# Altium PCB Neon-Demon-Earing-revC.PcbDoc
Units mm, origin at the board's own origin, x right, y up, seen from the top; angles counter-clockwise.
Board outline 8.86 x 10.51 mm, 2 copper layers (Top Layer, Bottom Layer); 11 components, 9 nets, 39 pads, 5 vias.
Unrouted connection lines stored in the file: 1.
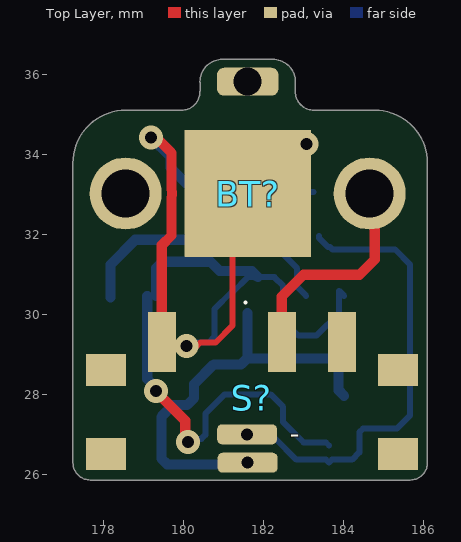
[diagram p0: Top Layer view]
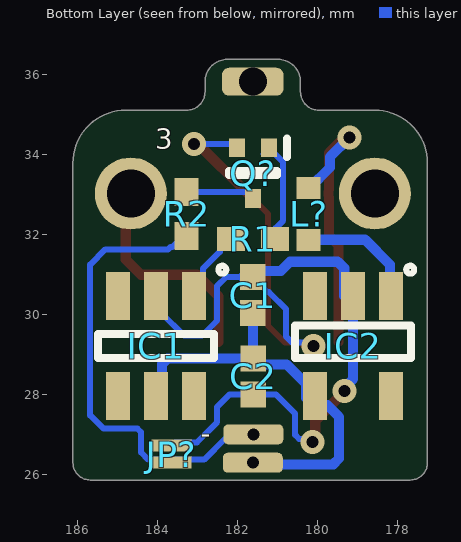
[diagram p1: Bottom Layer view, seen from below]
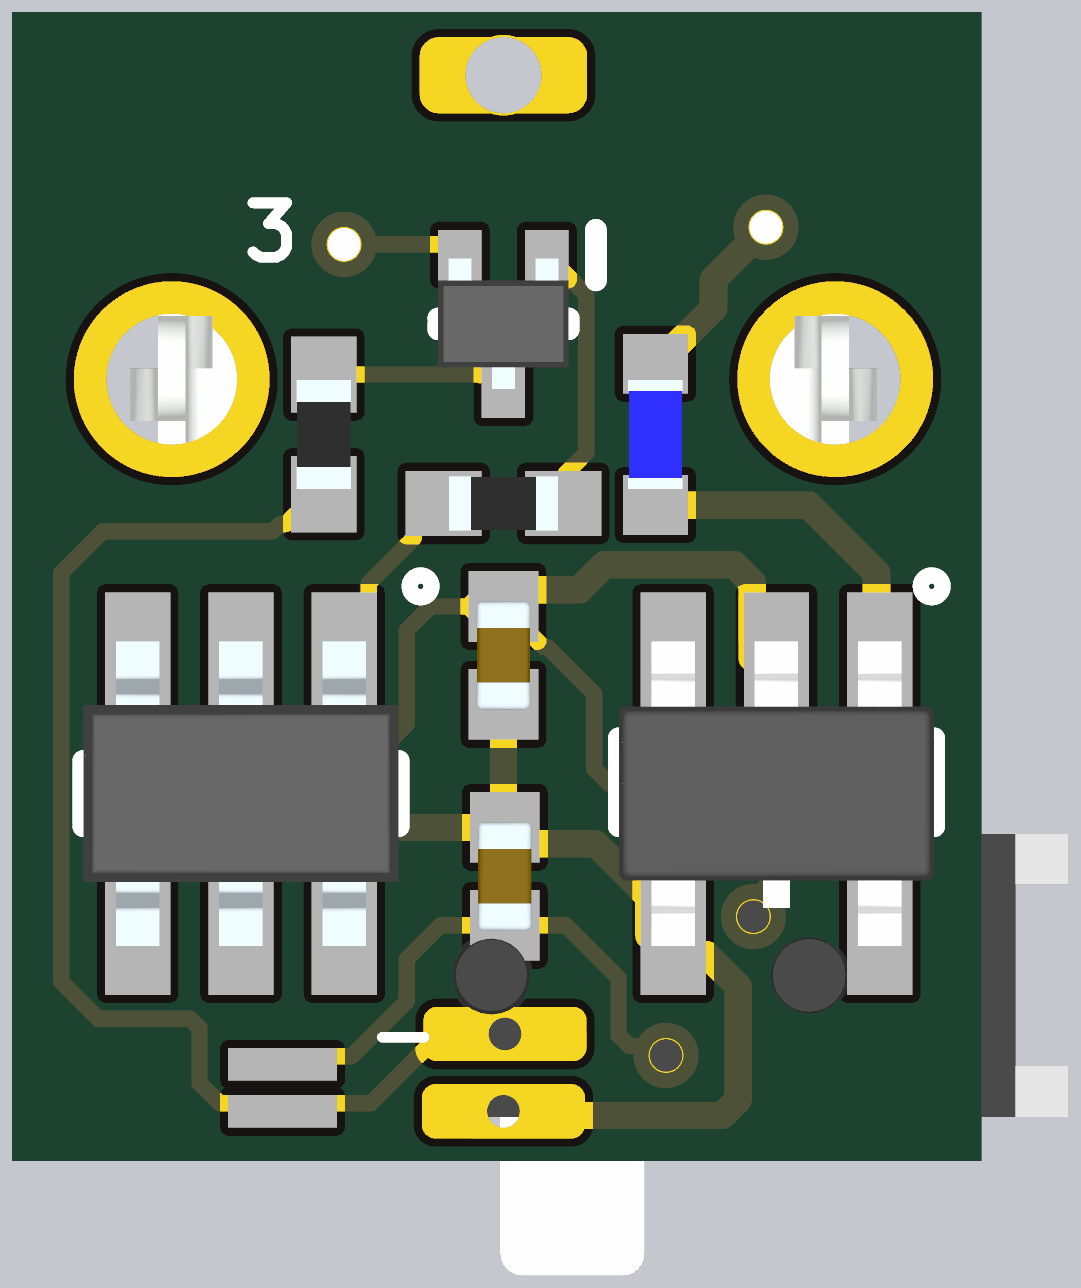
[diagram p2: 3D render of the assembled board from below, using the file's embedded part models]

## Layer stack, top to bottom
Top Solder: solder mask 0.0102, Solder Resist, Dk 3.5
Top Layer: signal copper 0.0356
Dielectric 1: dielectric 0.32, FR-4, Dk 4.8
Bottom Layer: signal copper 0.0356
Bottom Solder: solder mask 0.0102, Solder Resist, Dk 3.5

## Board outline
177.242,26.289 ccw(c177.673,26.289) 177.673,25.858 185.674,25.858 ccw(c185.674,26.289) 186.105,26.289 186.105,33.782 ccw(c184.785,33.782) 184.785,35.102 183.261,35.102 cw(c183.261,35.56) 182.803,35.56 182.803,35.814 ccw(c182.245,35.814) 182.245,36.372 180.975,36.372 ccw(c180.975,35.814) 180.417,35.814 ccw(c180.467,35.814) 180.418,35.801 180.418,35.573 ccw(c180.467,35.56) 180.417,35.56 cw(c179.959,35.56) 179.959,35.102 178.562,35.102 ccw(c178.562,33.782) 177.242,33.782

## Design rules (kind name [scope] priority, off if disabled: settings)
BoardOutlineClearance [All] p1: gap=0.2 ignorepadtopadclearanceinfootprint=FALSE
Clearance [All] p1: gap=0.127 ignorepadtopadclearanceinfootprint=FALSE except(0.25: Arc-Hole Track-Hole SMDPad-Hole THPad-Hole Via-Hole Fill-Hole Poly-Hole Region-Hole Text-Hole)
ComponentClearance [All] p1: gap=0.127 collisioncheckmode=3 verticalgap=0.127 showdistances=TRUE
DiffPairsRouting [All] p1: maxlimit=0.254 minlimit=0.127 mostfreqgap=0.127 toplayer_minwidth=0.127 toplayer_maxwidth=25.4 toplayer_prefwidth=0.127 bottomlayer_minwidth=0.127 bottomlayer_maxwidth=25.4 bottomlayer_prefwidth=0.127 maxuncoupledlength=12.7
Height [All] p1: minheight=0 maxheight=1816.048 prefheight=12.7
HoleSize [All] p1: absolutevalues=TRUE maxlimit=6.3 minlimit=0.3 maxpercent=80.000 minpercent=20.000
HoleToHoleClearance [All] p1: gap=0.25 allowstackedmicrovias=FALSE
MinimumAnnularRing [All] p1: minimumring=0.076
MinimumSolderMaskSliver [All] p1: minsoldermaskwidth=0
PlaneClearance [All] p1: clearance=0.127
PlaneConnect PlaneConnectPowerPads [InPadClass('PowerPads')] p1: planeconnectstyle=Direct reliefexpansion=0.508 reliefentries=4 reliefconductorwidth=0.254 reliefairgap=0.254
PlaneConnect [All] p2: pad.planeconnectstyle=Relief pad.reliefexpansion=0.3 pad.reliefentries=4 pad.reliefconductorwidth=0.127 pad.reliefairgap=0.127 via.planeconnectstyle=Direct via.reliefexpansion=0.3 via.reliefentries=4 via.reliefconductorwidth=0.127 via.reliefairgap=0.127
PolygonConnect PolygonConnectPowerPads [All vs (InPadClass('PowerPads'))] p1: connectstyle=Direct reliefconductorwidth=0.254 reliefentries=4 polygonreliefangle="90 Angle" airgapwidth=0.254
PolygonConnect [All] p2: thpad.connectstyle=Relief thpad.reliefconductorwidth=0.127 thpad.reliefentries=4 thpad.polygonreliefangle="90 Angle" thpad.airgapwidth=0.127 smdpad.connectstyle=Relief smdpad.reliefconductorwidth=0.127 smdpad.reliefentries=4 smdpad.polygonreliefangle="90 Angle" smdpad.airgapwidth=0.127 via.connectstyle=Direct via.reliefconductorwidth=0.127 via.reliefentries=4 via.polygonreliefangle="90 Angle" via.airgapwidth=0.127
RoutingVias [All] p1: holewidth=0.3 width=0.6 viastyle="Through Hole" minholewidth=0.3 minwidth=0.6 maxholewidth=0.6 maxwidth=6.6
SilkToSilkClearance [All] p1: silktosilkclearance=0
SilkToSolderMaskClearance [IsPad] p1: minsilkscreentomaskgap=0.127 clearancetoexposedcopper=TRUE
SolderMaskExpansion [All] p1: expansion=0.075 istentingtop=FALSE
Width [All] p1: maxlimit=25.4 minlimit=0.127 preferedwidth=0.127 minimp=50.000000 maximp=50.000000 favimp=50.000000
20 further rules are at their usual default settings.

## Classes and differential pairs
component class Neon-Demon-Earing-revC: C1 C2 IC1 IC2 L? Q? R1 R2 S?

## Components (designator, comment, footprint, x,y, rotation, side; value= is the part's Value field where it differs from the comment)
BT? "2987" BAT_2987 181.61,33.02 r0 top
C1 "04023A0R8CAT2A" CAPC1005X56N 181.61,30.48 r90 bottom
C2 "0402YC104MAT2A" CAPC1005X56N 181.597,28.449 r90 bottom
IC1 "ATTINY10-TS8R" SOT95P280X145-6N 184.023,29.21 r270 bottom
IC2 "TPS613221ADBVR" SOT95P280X145-5N 179.1,29.21 r270 bottom
JP? "Normally open jumper    This jumper has two pads in close proximity to each other. Apply solder to close the connection.   Round pads are easier to solder for beginners, but are a lot larger.   SparkFun Product that uses the round pads:  SparkFun EL Sequencer" SMT-JUMPER_2_NO_SILK 183.642,26.695 r270 bottom
L? "MLF1005G2R2JT000" INDC1005X55N 180.213,32.512 r270 bottom
Q? "MMBT2222AM3T5G" SOTFL40P120X55-3N 181.61,33.528 r270 bottom
R1 "CPF0402B100KE" RESC1005X35N 181.61,31.877 r180 bottom
R2 "CPF0402B100KE" RESC1005X35N 183.261,32.512 r270 bottom
S? "CUS-12TB" CUS12TB 180.213,27.559 r0 top

## Footprints (in the part's own frame and the unit in brackets; to place one, negate y for a bottom-side part, rotate by r counter-clockwise, add the part's x,y. Pads: shape width x height; smd on the part's side, far side on the other; paste and mask are expansions set on the pad)
BAT_2987 [mm]
  rect 3.17x3.17 smd paste-3: N(0,0)
  round 1.8 hole 1.2: P1(-3.05,0) P2(3.05,0)
  body extent -3.43,-3.17 3.43,2.79, height 2.79
CAPC1005X56N [mm]
  rect 0.65x0.64 smd: 1(-0.45,0) 2(0.45,0)
  body extent -0.5,-0.25 0.5,0.25, height 0.56
CUS12TB [mm]
  rect 0.7x1.5 smd: 1(-0.75,1.75) 2(2.25,1.75) 3(3.75,1.75)
  rect 1x0.8 smd: MP1(-2.15,1.05) MP2(5.15,1.05) MP3(-2.15,-1.05) MP4(5.15,-1.05)
  body extent -3.8,-2.78 3.88,2.21, height 1.47
INDC1005X55N [mm]
  rect 0.55x0.6 smd: 1(-0.65,0) 2(0.65,0)
  body extent -0.5,-0.25 0.5,0.25, height 0.55
RESC1005X35N [mm]
  rect 0.7x0.6 smd: 1(-0.55,0) 2(0.55,0)
  body extent -0.5,-0.25 0.5,0.25, height 0.35
SMT-JUMPER_2_NO_SILK [mm]
  rect 0.3x1 smd paste+0: 1(-0.025,0) 2(0.406,0)
SOT95P280X145-5N [mm]
  rect 1.2x0.6 smd: 1(-1.25,0.95) 2(-1.25,0) 3(-1.25,-0.95) 4(1.25,-0.95) 5(1.25,0.95)
  silkscreen extent -0.51,-1.45 0.3,1.45, body extent -1.4,-1.45 1.4,1.45, height 1.2
SOT95P280X145-6N [mm]
  rect 1.2x0.6 smd: 1(-1.25,0.95) 2(-1.25,0) 3(-1.25,-0.95) 4(1.25,-0.95) 5(1.25,0) 6(1.25,0.95)
  silkscreen extent -0.3,-1.45 0.3,1.45, body extent -1.4,-1.45 1.4,1.45, height 1.45
SOTFL40P120X55-3N [mm]
  rect 0.465x0.4 smd: 1(-0.632,0.4) 2(-0.632,-0.4) 3(0.632,0)
  silkscreen extent -0.86,-0.6 0.05,0.85, body extent -0.6,-0.6 0.6,0.6, height 0.55

## Part data
BT?: Package=None, Availability=Unavailable, MP=2987, Price=None
C1: "Capacitor", Manufacturer_Name=AVX, Mouser Part Number=581-04023A0R8CAT2A, Datasheet Link=http://www.mouser.com/catalog/supplier/library/pdf/AVXSurfaceMountCeramic.pdf, Height=0.56mm, Manufacturer_Part_Number=04023A0R8CAT2A, Mouser Price/Stock=https://www.mouser.co.uk/ProductDetail/AVX/04023A0R8CAT2A?qs=ZwvTZoB9SO%252BVBOZ%252BNMbjzw%3D%3D
C2: "Capacitor", Manufacturer_Name=AVX, Mouser Part Number=581-0402YC104MAT2A, Datasheet Link=http://www.mouser.com/catalog/supplier/library/pdf/AVXSurfaceMountCeramic.pdf, Height=0.56mm, Manufacturer_Part_Number=0402YC104MAT2A, Mouser Price/Stock=https://www.mouser.co.uk/ProductDetail/AVX/0402YC104MAT2A?qs=O2%2FeDh0sX9yiCaLwpXy1bw%3D%3D
IC1: "Integrated Circuit", Manufacturer_Name=Microchip, Mouser Part Number=556-ATTINY10-TS8R, Arrow Part Number=ATTINY10-TS8R, Arrow Price/Stock=https://www.arrow.com/en/products/attiny10-ts8r/microchip-technology?region=nac, Datasheet Link=http://www.microchip.com/mymicrochip/filehandler.aspx?ddocname=en589725, Height=1.45mm, Manufacturer_Part_Number=ATTINY10-TS8R, Mouser Price/Stock=https://www.mouser.co.uk/ProductDetail/Microchip-Technology/ATTINY10-TS8R?qs=lwdSMh1%2FoYJoa4IfQuMJgQ%3D%3D
IC2: "Power Supply", Manufacturer_Name="Texas Instruments", Mouser Part Number=595-TPS613221ADBVR, Arrow Part Number=TPS613221ADBVR, Arrow Price/Stock=https://www.arrow.com/en/products/tps613221adbvr/texas-instruments?region=nac, Datasheet Link=http://www.ti.com/lit/gpn/tps61322, Height=1.45mm, Manufacturer_Part_Number=TPS613221ADBVR, Mouser Price/Stock=https://www.mouser.co.uk/ProductDetail/Texas-Instruments/TPS613221ADBVR?qs=W0yvOO0ixfEzYGaKZaJgrw%3D%3D
JP?: library part JUMPER-SMT_2_NO_SILK, Package=SMT-JUMPER_2_NO_SILK, DeviceName=_SILK, DeviceSetName=JUMPER-SMT_2_NO, GateName_1=G$1, LibraryName=SparkFun-Jumpers, SymbolName_1=SMT-JUMPER_2_NO
L?: "Inductor", Manufacturer_Name=TDK-Lambda, Mouser Part Number=810-MLF1005G2R2JT000, Datasheet Link=https://product.tdk.com/system/files/dam/doc/product/inductor/inductor/smd/catalog/inductor_commercial_standard_mlf1005_en.pdf, Height=0.55mm, Manufacturer_Part_Number=MLF1005G2R2JT000, Mouser Price/Stock=https://www.mouser.co.uk/ProductDetail/TDK/MLF1005G2R2JT000?qs=%2FPzWLGNeQ%252BhXmsvIBrs2gg%3D%3D
Q?: "Transistor BJT NPN", Manufacturer_Name=onsemi, Mouser Part Number=863-MMBT2222AM3T5G, Arrow Part Number=MMBT2222AM3T5G, Arrow Price/Stock=https://www.arrow.com/en/products/mmbt2222am3t5g/on-semiconductor?region=nac, Datasheet Link=http://www.onsemi.com/pub/Collateral/MMBT2222AM3-D.PDF, Height=0.55mm, Manufacturer_Part_Number=MMBT2222AM3T5G, Mouser Price/Stock=https://www.mouser.co.uk/ProductDetail/onsemi/MMBT2222AM3T5G?qs=N5dOQkml4H%252BwlTOlL9%2F4UA%3D%3D
R1 R2: "Resistor", Manufacturer_Name="TE Connectivity", Mouser Part Number=279-CPF0402B100KE, Arrow Part Number=CPF0402B100KE, Arrow Price/Stock=https://www.arrow.com/en/products/cpf0402b100ke/te-connectivity?region=nac, Datasheet Link=http://www.farnell.com/datasheets/1786775.pdf, Height=0.35mm, Manufacturer_Part_Number=CPF0402B100KE, Mouser Price/Stock=https://www.mouser.co.uk/ProductDetail/TE-Connectivity-Holsworthy/CPF0402B100KE?qs=CXI0wBT1M2h4W2Gm72yIGA%3D%3D
S?: "Switch", Manufacturer_Name="Nidec Copal", Mouser Part Number=229-CUS-12TB, Datasheet Link=https://www.nidec-copal-electronics.com/e/catalog/switch/cus.pdf, Height=1.4mm, Manufacturer_Part_Number=CUS-12TB, Mouser Price/Stock=https://www.mouser.co.uk/ProductDetail/Nidec-Components/CUS-12TB?qs=XeJtXLiO41Q1Ug1dC3Bq%2FQ%3D%3D

## Free pads (board coordinates)
  rrect50% 1.5x0.5 hole 0.3: 2(181.596,27) 2(181.61,26.289)
  rrect50% 1.54x0.7 hole 0.7: 2(181.61,35.814)

## Via types
v1: diameter 0.6, hole 0.3, Top Layer to Bottom Layer, tented both sides, 5 vias

## Nets (pads, with @x,y where several pads share a name; then routed paths per layer and width w, separated by ;. In a path a pad name is that pad's centre, name@x,y a point inside that pad or via, vN(x,y) a via of type N, cw(c..) or ccw(c..) an arc to the next point about the centre after c; other vN are vias at no path point)
3V3: C1.1 C2.2 IC1.5 IC2.4 pad.2@181.61,26.289 | length 10.3
  Bottom Layer w0.25: pad.2@181.244,26.224 181.218,26.251 179.887,26.251 179.597,26.251 179.451,26.397 179.451,27.437 179.745,27.731 180.099,27.731 180.274,27.906 180.274,27.96 180.274,28.26 180.763,28.749 181.447,28.749 C2.2@181.522,28.824 ; C2.2 C2.2@181.522,28.824 ; C2.2@181.61,28.912 C1.1 ; IC1.5 183.884,28.099 183.884,28.752 183.738,28.898 181.596,28.898 C2.2@181.522,28.824
GND: BT?.N C1.2 C2.1 IC1.2 IC2.2 JP?.1 Q?.2 | length 27.1
  Top Layer w0.15: v1@180.34,29.21 180.426,29.296 180.807,29.296 181.229,29.718 181.229,32.512 BT?.N@181.737,33.02
  Top Layer w0.254: v1(179.312,28.079) 180.049,27.342 v1@180.049,26.963 ; BT?.N@181.737,33.02 183.007,34.29 183.044,34.29 v1(183.075,34.259)
  Bottom Layer w0.15: v1(180.086,29.21) 180.172,29.296 180.633,29.296 180.776,29.439 180.776,30.127 181.206,30.557 181.242,30.557 181.61,30.925 C1.2 181.864,30.93 182.279,30.93 182.499,30.71 182.499,29.845 182.88,29.464 183.327,29.464 183.896,30.033 183.896,30.587 IC1.2 ; v1(180.116,26.803) 180.202,26.889 180.453,26.889 180.552,26.988 180.552,27.517 181.034,27.999 C2.1 182.186,27.999 182.499,27.686 182.499,27.305 183.008,26.796 183.567,26.796 JP?.1 ; Q?.2@181.98,34.13 182.109,34.259 v1(183.075,34.259)
  Bottom Layer w0.254: IC2.2 179.1,28.385 179.312,28.172 v1(179.312,28.079) ; IC2.2@179.324,30.46 179.324,31.15 179.488,31.314 180.679,31.314 180.909,31.084 181.71,31.084 C1.2@181.864,30.93
LED_K: JP?.2 pad.2@181.596,27 R2.2 | length 11.5
  Bottom Layer w0.15: pad.2@181.596,26.929 181.615,26.91 182.279,26.91 182.825,26.364 183.567,26.364 JP?.2 183.717,26.364 184.221,26.364 184.404,26.547 184.404,27.052 184.492,27.14 185.339,27.14 185.674,27.475 185.674,31.242 185.293,31.623 183.727,31.623 183.663,31.687 183.613,31.687 183.388,31.912 R2.2@183.388,31.962
NetIC2_1: IC2.1 L?.2 | length 3.2
  Bottom Layer w0.254: IC2.1@178.181,30.424 178.181,31.242 178.801,31.862 L?.2@180.34,31.862
NetL?_1: L?.1 S?.1 | length 7.1
  Top Layer w0.254: v1@179.324,34.417 179.631,34.11 179.705,34.036 179.705,33.164 cw(c178.56,33.02) 179.705,32.876 179.705,31.969 179.463,31.727 S?.1
  Bottom Layer w0.254: v1(179.197,34.417) 179.679,33.935 179.679,33.671 180.188,33.162 L?.1
NetQ?_1: Q?.1 R1.2 | length 2.9
  Bottom Layer w0.15: Q?.1 181.21,34.127 181.148,34.065 Q?.1@181.085,34.002 ; R1.2@181.314,31.877 181.264,31.877 181.039,32.102 181.039,32.152 180.848,32.343 180.848,32.766 180.85,32.768 180.85,33.8 181.053,34.002 Q?.1@181.085,34.002 ; Q?.1@181.339,34.002 Q?.1@181.085,34.002
NetQ?_3: Q?.3 R2.1 | length 1.7
  Bottom Layer w0.15: Q?.3 181.61,32.929 181.735,33.054 181.814,33.054 181.823,33.062 R2.1
PWM: IC1.1 R1.1 | length 1.7
  Bottom Layer w0.15: R1.1@182.414,31.877 182.435,31.856 182.435,31.56 182.848,31.147 182.848,30.685 IC1.1
VBAT: BT?.P1 BT?.P2 S?.2 | length 5.5
  Top Layer w0.254: S?.2 182.463,30.444 183.007,30.988 184.404,30.988 184.787,31.371 BT?.P2@184.787,33.02
pads on no net: IC1.3 IC1.4 IC1.6 IC2.3 IC2.5 S?.3 S?.MP1 S?.MP2 S?.MP3 S?.MP4

## Silkscreen, mask and mechanical layers (free items; w line width, h text height)
Top Overlay:
  lines w0.1: 181.557,30.298 181.56,30.301
  text "-" at 182.907,26.774 h0.5
Bottom Overlay:
  circle w0.15: c182.372,31.115 r0.1
  circle w0.15: c177.673,31.115 r0.1
  text "3" at 184.05,34.136 h0.5
  text "-" at 182.907,26.774 h0.5
Board:
  lines w0.1: 179.26,35.052 179.959,35.052 ccw(c179.959,35.56) 180.467,35.56 ; 179.546,35.052 178.562,35.052 ccw(c178.562,33.782) 177.292,33.782 177.292,32.385 177.292,26.289 ccw(c177.673,26.289) 177.673,25.908 185.674,25.908 ; 180.467,35.814 cw(c180.975,35.814) 180.975,36.322 182.245,36.322 cw(c182.245,35.814) 182.753,35.814 182.753,35.56 ccw(c183.261,35.56) 183.261,35.052 184.785,35.052 cw(c184.785,33.782) 186.055,33.782 186.055,32.258 186.055,26.289 cw(c185.674,26.289) 185.674,25.908 ; 180.469,35.57 180.469,35.824 ; 185.547,25.908 185.674,25.908